# KiCad board emon36.kicad_pcb (continued)
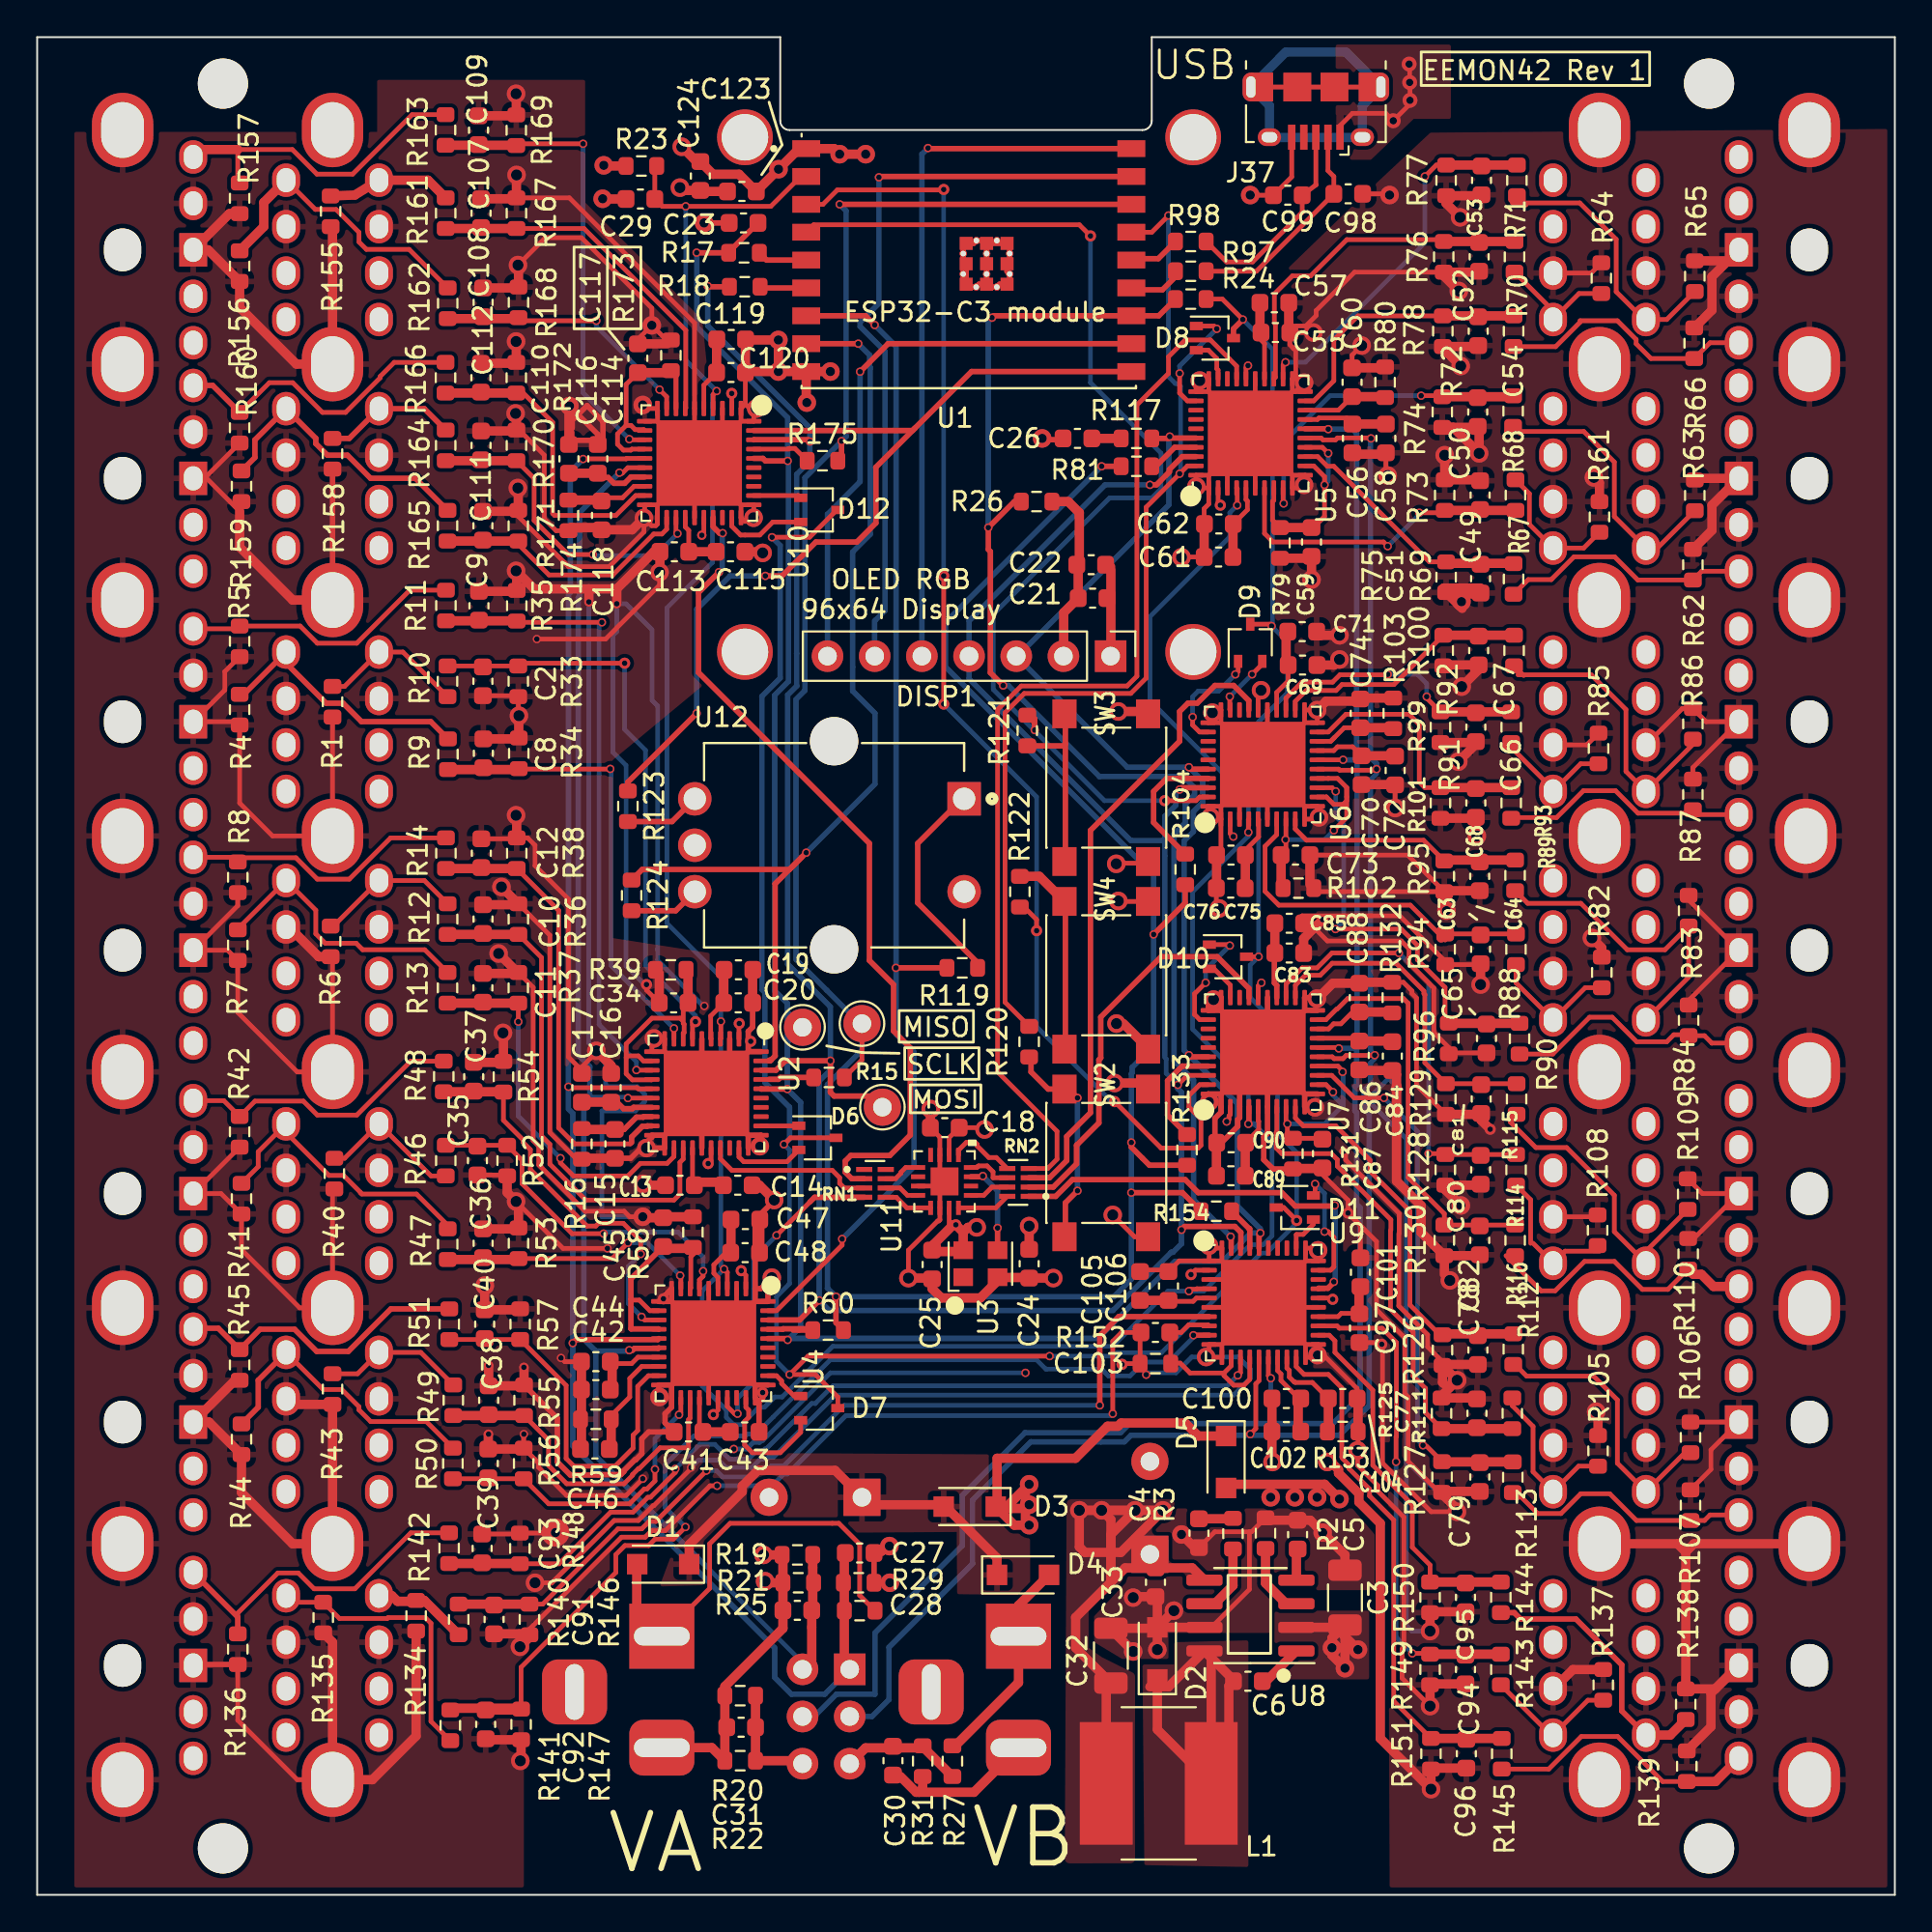
[diagram p0: board, top side]
## Placement (name value [footprint] x y rotation side) (continued)
J2  6_port_3.5mm_audio_jack_array_module_left_column  [6_ports_3.5mm_audio_jack_array_module_left_column]  8.4 57 270 bottom
J3  6_port_3.5mm_audio_jack_array_module_right_column  [6_ports_3.5mm_audio_jack_array_module_right_column]  8.4 57 270 bottom
J4  Barrel_Jack  [PJ-002A]  52.83 13.92 90 bottom
J5  6_port_3.5mm_audio_jack_array_module_left_column  [6_ports_3.5mm_audio_jack_array_module_left_column]  8.4 31.6 270 bottom
J6  6_port_3.5mm_audio_jack_array_module_right_column  [6_ports_3.5mm_audio_jack_array_module_right_column]  8.4 31.6 270 bottom
J7  6_port_3.5mm_audio_jack_array_module_left_column  [6_ports_3.5mm_audio_jack_array_module_left_column]  91.6 82.4 90 bottom
J8  6_port_3.5mm_audio_jack_array_module_right_column  [6_ports_3.5mm_audio_jack_array_module_right_column]  91.6 82.4 90 bottom
J9  6_port_3.5mm_audio_jack_array_module_left_column  [6_ports_3.5mm_audio_jack_array_module_left_column]  91.6 57 90 bottom
J10  6_port_3.5mm_audio_jack_array_module_right_column  [6_ports_3.5mm_audio_jack_array_module_right_column]  91.6 57 90 bottom
J11  6_port_3.5mm_audio_jack_array_module_left_column  [6_ports_3.5mm_audio_jack_array_module_left_column]  91.6 31.6 90 bottom
J12  6_port_3.5mm_audio_jack_array_module_right_column  [6_ports_3.5mm_audio_jack_array_module_right_column]  91.6 31.6 90 bottom
J13  6_port_3.5mm_audio_jack_array_module_left_column  [6_ports_3.5mm_audio_jack_array_module_left_column]  91.6 6.2 90 bottom
J14  6_port_3.5mm_audio_jack_array_module_right_column  [6_ports_3.5mm_audio_jack_array_module_right_column]  8.4 6.2 270 bottom
J15  6_port_3.5mm_audio_jack_array_module_left_column  [6_ports_3.5mm_audio_jack_array_module_left_column]  8.4 82.4 270 bottom
J16  6_port_3.5mm_audio_jack_array_module_right_column  [6_ports_3.5mm_audio_jack_array_module_right_column]  8.4 82.4 270 bottom
J17  Conn_02x03_Odd_Even  [PinHeader_2x03_P2.54mm_Vertical]  43.74 12.14 180 bottom
J37  USB_B_Micro  [USB_Micro-B_Amphenol_10118194_Horizontal]  68.83 96.02 180 top
L1  82uH  [L_Bourns_SRN8040TA]  60.38 6 180 top
LOGO1  Logo_Open_Hardware_Small  [OSHW_logo_10mm]  43.3 56.5 270 bottom
MH1  MountingHole  [MountingHole_2.7mm_M2.5]  90 97.5 0 top
MH2  MountingHole  [MountingHole_2.7mm_M2.5]  10 97.5 0 top
MH3  MountingHole  [MountingHole_2.7mm_M2.5]  10 2.5 0 top
MH4  MountingHole  [MountingHole_2.7mm_M2.5]  90 2.5 0 top
R1  RB  [R_0603_1608Metric]  15.9 64.23 270 top
R2  DNL  [R_0603_1608Metric]  66.12 19.47 90 top
R3  47k  [R_0603_1608Metric]  64.37 19.44 90 top
R4  RB  [R_0603_1608Metric]  10.9 63.8 270 top
R5  RB  [R_0603_1608Metric]  10.9 67.48 270 top
R6  RB  [R_0603_1608Metric]  15.8 51.33 270 top
R7  RB  [R_0603_1608Metric]  10.8 51.13 270 top
R8  RB  [R_0603_1608Metric]  10.8 54.78 270 top
R9  1k  [R_0603_1608Metric]  22.11 61.4 270 top
R10  1k  [R_0603_1608Metric]  22.09 65.33 90 top
R11  1k  [R_0603_1608Metric]  22 69.41 270 top
R12  1k  [R_0603_1608Metric]  22.1 52.53 270 top
R13  1k  [R_0603_1608Metric]  22.09 48.83 270 top
R14  1k  [R_0603_1608Metric]  22 56.07 270 top
R15  22  [R_0603_1608Metric]  42.62 44 0 top
R16  1k  [R_0603_1608Metric]  29.32 40.43 90 top
R17  22  [R_0603_1608Metric]  38.05 88.39 180 top
R18  22  [R_0603_1608Metric]  38.09 86.56 180 top
R19  21.5K  [R_0603_1608Metric]  40.92 18.3 0 top
R20  21.5K  [R_0603_1608Metric]  37.84 10.72 0 top
R21  499  [R_0603_1608Metric]  40.97 16.8 180 top
R22  499  [R_0603_1608Metric]  37.84 7.22 180 top
R23  2.2K  [R_0603_1608Metric]  32.52 93.07 0 top
R24  2.2k  [R_0603_1608Metric]  62.1 85.9 0 top
R25  21.5K  [R_0603_1608Metric]  44.28 15.3 180 top
R26  DNP  [R_0603_1608Metric]  53.8 75 0 top
R27  21.5K  [R_0603_1608Metric]  49.27 7.2 270 top
R29  499  [R_0603_1608Metric]  44.23 16.8 0 top
R31  499  [R_0603_1608Metric]  47.67 7.2 270 top
R33  499  [R_0603_1608Metric]  25.9 65.33 270 top
R34  499  [R_0603_1608Metric]  25.93 61.45 90 top
R35  499  [R_0603_1608Metric]  25.81 69.39 90 top
R36  499  [R_0603_1608Metric]  25.9 52.53 90 top
R37  499  [R_0603_1608Metric]  25.9 48.83 90 top
R38  499  [R_0603_1608Metric]  25.81 56.07 90 top
R39  1k  [R_0603_1608Metric]  34.11 49.79 0 top
R40  RB  [R_0603_1608Metric]  16 38.83 270 top
R41  RB  [R_0603_1608Metric]  11 37.48 270 top
R42  RB  [R_0603_1608Metric]  10.9 41.08 270 top
R43  RB  [R_0603_1608Metric]  15.9 27.23 270 top
R44  RB  [R_0603_1608Metric]  11 24.53 270 top
R45  RB  [R_0603_1608Metric]  10.9 28.53 270 top
R46  1k  [R_0603_1608Metric]  22 39.53 90 top
R47  1k  [R_0603_1608Metric]  22.1 35.03 270 top
R48  1k  [R_0603_1608Metric]  21.89 44.05 270 top
R49  1k  [R_0603_1608Metric]  22.4 26.63 270 top
R50  1k  [R_0603_1608Metric]  22.38 23.22 270 top
R51  1k  [R_0603_1608Metric]  22.19 30.72 270 top
R52  499  [R_0603_1608Metric]  25.3 39.53 270 top
R53  499  [R_0603_1608Metric]  25.91 35.08 90 top
R54  499  [R_0603_1608Metric]  25.1 44.04 90 top
R55  499  [R_0603_1608Metric]  26.21 26.63 90 top
R56  499  [R_0603_1608Metric]  26.19 23.22 90 top
R57  499  [R_0603_1608Metric]  26 30.72 90 top
R58  1k  [R_0603_1608Metric]  35.3 35.68 270 top
R59  1k  [R_0603_1608Metric]  30.07 25.6 0 top
R60  22  [R_0603_1608Metric]  42.58 30.4 0 top
R61  RB  [R_0603_1608Metric]  84.1 74.18 90 top
R62  RB  [R_0603_1608Metric]  89.23 75.34 90 top
R63  RB  [R_0603_1608Metric]  89.13 71.6 90 top
R64  RB  [R_0603_1608Metric]  84.2 87.03 90 top
R65  RB  [R_0603_1608Metric]  89.23 87.13 90 top
R66  RB  [R_0603_1608Metric]  89.2 83.53 90 top
R67  1k  [R_0603_1608Metric]  79.58 75.35 270 top
R68  1k  [R_0603_1608Metric]  79.45 79.87 90 top
R69  1k  [R_0603_1608Metric]  79.48 70.84 90 top
R70  1k  [R_0603_1608Metric]  79.53 88.18 90 top
R71  1k  [R_0603_1608Metric]  79.65 92.29 90 top
R72  1k  [R_0603_1608Metric]  79.48 84.17 90 top
R73  499  [R_0603_1608Metric]  75.77 75.35 90 top
R74  499  [R_0603_1608Metric]  75.64 79.82 270 top
R75  499  [R_0603_1608Metric]  75.84 70.93 270 top
R76  499  [R_0603_1608Metric]  75.72 88.18 270 top
R77  499  [R_0603_1608Metric]  75.84 92.29 270 top
R78  499  [R_0603_1608Metric]  75.67 84.17 270 top
R79  1k  [R_0603_1608Metric]  66.9 72.78 90 top
R80  1k  [R_0603_1608Metric]  72.56 81.43 270 top
R81  22  [R_0603_1608Metric]  59.17 76.9 180 top
R82  RB  [R_0603_1608Metric]  84.23 49.66 90 top
R83  RB  [R_0603_1608Metric]  88.9 52.98 90 top
R84  RB  [R_0603_1608Metric]  88.9 47.08 90 top
R85  RB  [R_0603_1608Metric]  84.05 61.71 90 top
R86  RB  [R_0603_1608Metric]  89.13 63.03 90 top
R87  RB  [R_0603_1608Metric]  89.13 59.23 90 top
R88  1k  [R_0603_1608Metric]  79.61 50.9 90 top
R89  1k  [R_0603_1608Metric]  79.56 54.88 90 top
R90  1k  [R_0603_1608Metric]  79.8 46.09 90 top
R91  1k  [R_0603_1608Metric]  79.35 62.85 90 top
R92  1k  [R_0603_1608Metric]  79.5 66.98 90 top
R93  1k  [R_0603_1608Metric]  79.35 58.78 90 top
R94  499  [R_0603_1608Metric]  75.8 50.9 270 top
R95  499  [R_0603_1608Metric]  75.75 54.83 270 top
R96  499  [R_0603_1608Metric]  75.99 46.1 270 top
R97  0  [R_0603_1608Metric]  62.1 87.4 180 top
R98  0  [R_0603_1608Metric]  62.1 89 180 top
R99  499  [R_0603_1608Metric]  75.54 62.85 270 top
R100  499  [R_0603_1608Metric]  75.69 66.98 270 top
R101  499  [R_0603_1608Metric]  75.54 58.78 270 top
R102  1k  [R_0603_1608Metric]  67.89 54.19 180 top
R103  1k  [R_0603_1608Metric]  73 63.6 270 top
R104  22  [R_0603_1608Metric]  61.8 55.2 270 top
R105  RB  [R_0603_1608Metric]  84.02 23.9 90 top
R106  RB  [R_0603_1608Metric]  89 24.63 90 top
R107  RB  [R_0603_1608Metric]  89 20.98 90 top
R108  RB  [R_0603_1608Metric]  84 35.78 90 top
R109  RB  [R_0603_1608Metric]  88.85 37.72 90 top
R110  RB  [R_0603_1608Metric]  88.87 34.51 90 top
R111  1k  [R_0603_1608Metric]  79.41 25.92 270 top
R112  1k  [R_0603_1608Metric]  79.46 29.38 90 top
R113  1k  [R_0603_1608Metric]  79.43 22.48 90 top
R114  1k  [R_0603_1608Metric]  79.61 39.03 90 top
R115  1k  [R_0603_1608Metric]  79.64 42.84 90 top
R116  1k  [R_0603_1608Metric]  79.56 35.23 90 top
R117  50  [R_0603_1608Metric]  59.17 78.4 180 top
R119  2.2k  [R_0603_1608Metric]  49.8 49.9 0 top
R120  2.2k  [R_0603_1608Metric]  53.4 45.93 270 top
R121  2.2k  [R_0603_1608Metric]  53.3 62.68 270 top
R122  2.2k  [R_0603_1608Metric]  52.9 54 90 top
R123  2.2k  [R_0603_1608Metric]  31.8 58.6 270 top
R124  2.2k  [R_0603_1608Metric]  32 53.8 270 top
R125  499  [R_0603_1608Metric]  75.6 25.92 90 top
R126  499  [R_0603_1608Metric]  75.65 29.33 270 top
R127  499  [R_0603_1608Metric]  75.62 22.49 270 top
R128  499  [R_0603_1608Metric]  75.8 39.03 270 top
R129  499  [R_0603_1608Metric]  75.83 42.84 270 top
R130  499  [R_0603_1608Metric]  75.75 35.23 270 top
R131  1k  [R_0603_1608Metric]  67.6 39.9 90 top
R132  1k  [R_0603_1608Metric]  72.95 48.3 270 top
R133  22  [R_0603_1608Metric]  61.9 40.1 270 top
R134  RB  [R_0603_1608Metric]  20.4 15.03 270 top
R135  RB  [R_0603_1608Metric]  15.4 14.93 270 top
R136  RB  [R_0603_1608Metric]  10.8 13.23 270 top
R137  RB  [R_0603_1608Metric]  84.3 11.3 90 top
R138  RB  [R_0603_1608Metric]  88.74 10.26 90 top
R139  RB  [R_0603_1608Metric]  88.8 6.93 90 top
R140  1k  [R_0603_1608Metric]  22.69 14.83 90 top
R141  1k  [R_0603_1608Metric]  22.24 9.12 90 top
R142  1k  [R_0603_1608Metric]  22.17 18.66 270 top
R143  1k  [R_0603_1608Metric]  78.79 12.13 90 top
R144  1k  [R_0603_1608Metric]  78.79 16.01 90 top
R145  1k  [R_0603_1608Metric]  78.84 7.6 90 top
R146  499  [R_0603_1608Metric]  26.5 14.83 270 top
R147  499  [R_0603_1608Metric]  26.05 9.18 270 top
R148  499  [R_0603_1608Metric]  25.98 18.65 90 top
R149  499  [R_0603_1608Metric]  74.98 12.13 270 top
R150  499  [R_0603_1608Metric]  74.98 16.01 270 top
R151  499  [R_0603_1608Metric]  75.03 7.6 270 top
R152  1k  [R_0603_1608Metric]  60.2 28.6 0 top
R153  1k  [R_0603_1608Metric]  70.28 24.94 180 top
R154  22  [R_0603_1608Metric]  63.48 36.8 180 top
R155  RB  [R_0603_1608Metric]  15.8 90.62 270 top
R156  RB  [R_0603_1608Metric]  10.9 87.68 270 top
R157  RB  [R_0603_1608Metric]  10.9 91.33 270 top
R158  RB  [R_0603_1608Metric]  15.9 77.58 270 top
R159  RB  [R_0603_1608Metric]  11 75.83 270 top
R160  RB  [R_0603_1608Metric]  10.9 78.98 270 top
R161  1k  [R_0603_1608Metric]  21.99 90.53 270 top
R162  1k  [R_0603_1608Metric]  22.1 85.68 270 top
R163  1k  [R_0603_1608Metric]  21.98 95 270 top
R164  1k  [R_0603_1608Metric]  21.99 78.03 270 top
R165  1k  [R_0603_1608Metric]  22.09 73.7 270 top
R166  1k  [R_0603_1608Metric]  21.98 81.67 270 top
R167  499  [R_0603_1608Metric]  25.8 90.53 90 top
R168  499  [R_0603_1608Metric]  25.91 85.73 90 top
R169  499  [R_0603_1608Metric]  25.79 94.99 90 top
R170  499  [R_0603_1608Metric]  25.8 78.03 90 top
R171  499  [R_0603_1608Metric]  25.9 73.7 90 top
R172  499  [R_0603_1608Metric]  25.79 81.67 90 top
R173  1k  [R_0603_1608Metric]  34.11 82.87 270 top
R174  1k  [R_0603_1608Metric]  28.6 74.26 90 top
R175  22  [R_0603_1608Metric]  42.28 77.2 0 top
RN1  33  [RESCAV50P200X100X55-8N]  45.1 38.3 0 top
RN2  33  [RESCAV50P200X100X55-8N]  52.8 38.35 180 top
SW2  SW_MEC_5E  [SW_Push_1P1T_NO_6x6mm_H13mm]  57.55 39.4 90 top
SW3  SW_MEC_5E  [SW_Push_1P1T_NO_6x6mm_H13mm]  57.55 59.6 90 top
SW4  SW_MEC_5E  [SW_Push_1P1T_NO_6x6mm_H13mm]  57.55 49.5 90 top
TP1  SCLK  [TestPoint_THTPad_D2.0mm_Drill1.0mm]  41.2 46.7 0 top
TP2  MOSI  [TestPoint_THTPad_D2.0mm_Drill1.0mm]  45.5 42.4 0 top
TP3  MISO  [TestPoint_THTPad_D2.0mm_Drill1.0mm]  44.4 46.9 0 top
U1  ESP32-C3-WROOM-02-N4  [MODULE_ESP32-C3-WROOM-02-H4]  50.15 91.1 0 top
U2  ADE7816  [QFN-40-1EP_6x6mm_P0.5mm_EP4.6x4.6mm]  36.03 43.14 270 top
U3  16.384MHz  [Oscillator_SMD_Kyocera_KC2520Z-4Pin_2.5x2.0mm]  50.78 33.98 90 top
U4  ADE7816  [QFN-40-1EP_6x6mm_P0.5mm_EP4.6x4.6mm]  36.4 29.69 270 top
U5  ADE7816  [QFN-40-1EP_6x6mm_P0.5mm_EP4.6x4.6mm]  65.32 78.67 90 top
U6  ADE7816  [QFN-40-1EP_6x6mm_P0.5mm_EP4.6x4.6mm]  65.97 60.85 90 top
U7  ADE7816  [QFN-40-1EP_6x6mm_P0.5mm_EP4.6x4.6mm]  65.98 45.36 90 top
U8  TPS5403  [SOIC-8_3.9x4.9mm_P1.27mm]  65.31 15.04 180 top
U9  ADE7816  [QFN-40-1EP_6x6mm_P0.5mm_EP4.6x4.6mm]  66.03 31.88 0 top
U10  ADE7816  [QFN-40-1EP_6x6mm_P0.5mm_EP4.6x4.6mm]  35.64 77.07 270 top
U11  -  [PL133-97QC]  48.84 38.4 270 top
U12  PEC12R-4117F-S0012  [ENC_PEC12R-4025F-S0024]  42.9 56.5 0 top

## Library data of the parts
C1 = -: MFR: Panasonic; MPN: EEU-FR1V681LB
C3 C32 = -: Desc: CAP CER 10UF 50V X7R 1206; MFR: Samsung; MPN: CL31B106KBHNNNE
C7 = -: MFR: Rubycon; MPN: 35YXF220MEFC10X12.5
C13 C16 C19 C22 C24 C41 C42 C47 C55 C56 C61 C69 C70 C75 C83 C84 C89 C97 C100 C105 C113 C114 C119 C123 = -: Desc: CAP CER 4.7UF 16V X5R 0603; MFR: Samsung; MPN: CL10A475KO8NNNC
D1-D5 = -: MFR: Diodes Inc
D6-D12 = -: MFR: Nexperia; MPN: BAT54AW,115
J1 J4 = -: Distributor: Digikey; MFR: CUI; MPN: PJ-002
J2 J3 J5-J16 = -: MFR: Kortak; MPN: 6_port_audio_module
J37 = -: MFR: Amphenol; MPN: 10118194-0001LF
L1 = -: MFR: Bourns; MPN: SRN8040TA-820M
LOGO1 MH1-MH4 = -: MFR: N/A; MPN: N/A
R10 R33-R38 R46 R52-R57 R67 R73-R78 R88 R94-R96 R99-R101 R111 R125-R130 R140 R146-R151 R161 R167-R172 = -: Tol: 1%
RN1 RN2 = -: Desc: RES ARRAY 4 RES 33 OHM 0804; MFR: Bourns; MPN: AT10-330J4LF
SW2-SW4 = -: Desc: SWITCH TACTILE SPST-NO 0.05A 12V; MFR: C&K; MPN: PTS645SK13SMTR92LFS
TP1-TP3 = -: Desc: TestPoint; MFR: N/A; MPN: N/A
U1 = -: AVAILABILITY: In Stock; DESCRIPTION: WiFi Modules (802.11) (Engineering Samples) SMD module, ESP32-C3, 4MB SPI flash, PCB antenna, -40 C +105 C; Desc: ESP32-C3 MODULE; MF: Espressif Systems; MFR: Espressif Systems; MP: ESP32-C3-WROOM-02-H4; MPN: ESP32-C3-WROOM-02-H4; PACKAGE: Package; PRICE: None; PURCHASE-URL: https://pricing.snapeda.com/search/part/ESP32-C3-WROOM-02-H4/?ref=eda
U2 U4-U7 U9 U10 = -: ALTIUM_VALUE: *; AVAILABILITY: Unavailable; Desc: ENERGY MON IC 6CH QFN40; MF: Analog Devices; MFR: Analog Devices; MP: ADE7816ACPZ; MPN: ADE7816ACPZ; PACKAGE: LFCSP -40 Analog Devices; PRICE: None; SNAPEDA_LINK: https://www.snapeda.com/parts/ADE7816ACPZ/Analog%20Devices%20Inc./view-part/431922/?ref=snap
U3 = -: Desc: XTAL OSC XO 16.3840MHZ CMOS SMD; MFR: Kyocera AVX; MPN: KC2520Z16.3840C1KX00
U8 = -: Desc: IC REG BUCK 3.3V 1.7A 8SOIC; MFR: Texas Instruments; MPN: TPS5403DR
U11 = -: Desc: IC CLK BUFFER 16QFN; MFR: Microchip Technology
U12 = -: Desc: ROTARY ENCODER MECHANICAL 12PPR; MANUFACTURER: BOURNS; MFR: Bourns

## Footprints (pads in the part's own frame, mm; a bottom-side part is the same pattern mirrored in y, then rotated)
6_ports_3.5mm_audio_jack_array_module_left_column
  oval 2.3x2 hole 2.3x2 unplated: (6.15,3.8)
  rect 1.8x1.499 hole 1.3x1: 1A(6.15,0)
  oval 1.8x1.5 hole 1.3x1: 2A(11.15,0) 3A(8.65,0) 4A(3.65,0) 5A(1.15,0) 22A(9.9,-5) 23A(7.4,-5) 24A(4.9,-5) 25A(2.4,-5) 32A(9.9,-10) 33A(7.4,-10) 34A(4.9,-10) 35A(2.4,-10)
6_ports_3.5mm_audio_jack_array_module_right_column
  oval 2.3x2 hole 2.3x2 unplated: (-6.15,3.8)
  rect 1.8x1.499 hole 1.3x1: 1B(-6.15,0)
  oval 1.8x1.5 hole 1.3x1: 2B(-1.15,0) 3B(-3.65,0) 4B(-8.65,0) 5B(-11.15,0) 22B(-2.4,-5) 23B(-4.9,-5) 24B(-7.4,-5) 25B(-9.9,-5) 32B(-2.4,-10) 33B(-4.9,-10) 34B(-7.4,-10) 35B(-9.9,-10)
C_0603_1608Metric
  rrect 0.9x0.95 smd: 1(-0.775,0) 2(0.775,0)
C_1206_3216Metric
  rrect 1.15x1.8 smd: 1(-1.475,0) 2(1.475,0)
CP_Radial_D10.0mm_P5.00mm
  rect 2x2 hole 1: 1(0,0)
  round 2 hole 1: 2(5,0)
D_SOD-123F
  rect 1.1x1.1 smd: 1(-1.4,0) 2(1.4,0)
ENC_PEC12R-4025F-S0024
  round 2.6 hole 2.6 unplated: (0,5.6) (0,-5.6)
  rect 1.8x1.8 hole 1.2: 1(7,2.5)
  round 1.8 hole 1.2: 2(7,-2.5) A(-7.5,2.5) B(-7.5,-2.5) C(-7.5,0)
L_Bourns_SRN8040TA
  rect 2.85x6.6 smd: 1(-2.825,0) 2(2.825,0)
MODULE_ESP32-C3-WROOM-02-H4
  rect 1.5x0.9 smd: 1(-8.75,2.9) 2(-8.75,1.4) 3(-8.75,-0.1) 4(-8.75,-1.6) 5(-8.75,-3.1) 6(-8.75,-4.6) 7(-8.75,-6.1) 8(-8.75,-7.6) 9(-8.75,-9.1) 10(8.75,-9.1) 11(8.75,-7.6) 12(8.75,-6.1) 13(8.75,-4.6) 14(8.75,-3.1) 15(8.75,-1.6) 16(8.75,-0.1) 17(8.75,1.4) 18(8.75,2.9)
  rect 0.7x0.7 smd: 19(-0.14,-2.2) 20(0.96,-2.2) 21(2.06,-2.2) 22(-0.14,-3.3) 23(0.96,-3.3) 24(2.06,-3.3) 25(-0.14,-4.4) 26(0.96,-4.4) 27(2.06,-4.4)
  round 0.4 hole 0.3: 28(0.41,-2.05) 29(1.51,-2.05) 30(-0.3,-2.75) 31(0.96,-2.75) 32(2.2,-2.75) 33(-0.3,-3.85) 34(0.96,-3.85) 35(2.2,-3.85) 36(0.4,-4.55) 37(1.51,-4.55)
MountingHole_2.7mm_M2.5
  round 2.7 hole 2.7 unplated: (0,0)
Oscillator_SMD_Kyocera_KC2520Z-4Pin_2.5x2.0mm
  rect 0.95x1.05 smd: 1(-0.725,0.925) 2(-0.725,-0.925) 3(0.725,-0.925) 4(0.725,0.925)
PinHeader_2x03_P2.54mm_Vertical
  rect 1.7x1.7 hole 1: 1(0,0)
  oval 1.7x1.7 hole 1: 2(2.54,0) 3(0,-2.54) 4(2.54,-2.54) 5(0,-5.08) 6(2.54,-5.08)
PJ-002A
  rect 3.5x3.5 hole 1x3: 1(0,0)
  rrect 3x3.5 hole 1x3: 2(-6,0)
  rrect 3.5x3.5 hole 3x1: 3(-3,-4.7)
PL133-97QC
  rect 0.762x0.254 smd: 1(-1.422,0.75) 2(-1.422,0.25) 3(-1.422,-0.25) 4(-1.422,-0.75) 9(1.422,-0.75) 10(1.422,-0.25) 11(1.422,0.25) 12(1.422,0.75)
  rect 0.254x0.762 smd: 5(-0.75,-1.422) 6(-0.25,-1.422) 7(0.25,-1.422) 8(0.75,-1.422) 13(0.75,1.422) 14(0.25,1.422) 15(-0.25,1.422) 16(-0.75,1.422)
  rect 1.499x1.499 smd: 17(0,0)
QFN-40-1EP_6x6mm_P0.5mm_EP4.6x4.6mm
  rrect 0.93x0.93 smd: (-1.725,1.725) (-1.725,0.575) (-1.725,-0.575) (-1.725,-1.725) (-0.575,1.725) (-0.575,0.575) (-0.575,-0.575) (-0.575,-1.725) (0.575,1.725) (0.575,0.575) (0.575,-0.575) (0.575,-1.725) (1.725,1.725) (1.725,0.575) (1.725,-0.575) (1.725,-1.725)
  rrect 0.825x0.25 smd: 1(-2.938,2.25) 2(-2.938,1.75) 3(-2.938,1.25) 4(-2.938,0.75) 5(-2.938,0.25) 6(-2.938,-0.25) 7(-2.938,-0.75) 8(-2.938,-1.25) 9(-2.938,-1.75) 10(-2.938,-2.25) 21(2.938,-2.25) 22(2.938,-1.75) 23(2.938,-1.25) 24(2.938,-0.75) 25(2.938,-0.25) 26(2.938,0.25) 27(2.938,0.75) 28(2.938,1.25) 29(2.938,1.75) 30(2.938,2.25)
  rrect 0.25x0.825 smd: 11(-2.25,-2.938) 12(-1.75,-2.938) 13(-1.25,-2.938) 14(-0.75,-2.938) 15(-0.25,-2.938) 16(0.25,-2.938) 17(0.75,-2.938) 18(1.25,-2.938) 19(1.75,-2.938) 20(2.25,-2.938) 31(2.25,2.938) 32(1.75,2.938) 33(1.25,2.938) 34(0.75,2.938) 35(0.25,2.938) 36(-0.25,2.938) 37(-0.75,2.938) 38(-1.25,2.938) 39(-1.75,2.938) 40(-2.25,2.938)
  rect 4.6x4.6 smd: 41(0,0)
R_0603_1608Metric
  rrect 0.8x0.95 smd: 1(-0.825,0) 2(0.825,0)
RESCAV50P200X100X55-8N
  rrect 0.87x0.27 smd: 1(-0.58,0.75) 2(-0.58,0.25) 3(-0.58,-0.25) 4(-0.58,-0.75) 5(0.58,-0.75) 6(0.58,-0.25) 7(0.58,0.25) 8(0.58,0.75)
SOIC-8_3.9x4.9mm_P1.27mm
  rrect 1.95x0.6 smd: 1(-2.475,1.905) 2(-2.475,0.635) 3(-2.475,-0.635) 4(-2.475,-1.905) 5(2.475,-1.905) 6(2.475,-0.635) 7(2.475,0.635) 8(2.475,1.905)
SOT-323_SC-70
  rect 0.7x0.45 smd: 1(-1,0.65) 2(-1,-0.65) 3(1,0)
SSD1331_RGB_OLED_96x64
  round 3 hole 2.5 unplated: (-12.065,-0.23) (-12.065,-27.93) (12.065,-0.23) (12.065,-27.93)
  rect 1.7x1.7 hole 1: 1(-7.62,0)
  oval 1.7x1.7 hole 1: 2(-5.08,0) 3(-2.54,0) 4(0,0) 5(2.54,0) 6(5.08,0) 7(7.62,0)
STX-4335_Combined_Mounting_Hole
  oval 4x3.3 hole 3x2.3: 1(0,0)
SW_Push_1P1T_NO_6x6mm_H13mm
  rect 1.55x1.3 smd: 1(-3.975,2.25) 2(3.975,2.25) 3(-3.975,-2.25) 4(3.975,-2.25)
TestPoint_THTPad_D2.0mm_Drill1.0mm
  round 2 hole 1: 1(0,0)
USB_Micro-B_Amphenol_10118194_Horizontal
  oval 0.89x1.55 smd: (-3.5,-1.3) (3.5,-1.3)
  oval 1.25x0.95 smd: (-2.5,1.4) (2.5,1.4)
  rect 0.4x1.35 smd: 1(-1.3,1.4) 2(-0.65,1.4) 3(0,1.4) 4(0.65,1.4) 5(1.3,1.4)
  oval 0.89x1.55 hole 0.5x1.15: 6(-3.5,-1.3) 6(3.5,-1.3)
  rect 1.2x1.55 smd: 6(-2.9,-1.3) 6(2.9,-1.3)
  oval 1.25x0.95 hole 0.85x0.55: 6(-2.5,1.4) 6(2.5,1.4)
  rect 1.5x1.55 smd: 6(-1,-1.3) 6(1,-1.3)

## Nets
3V3: C7.1 C18.1 C21.1 C22.1 C24.1 C25.1 C32.1 C33.2 C123.1 C124.1 DISP1.2 L1.2 R23.1 R26.2 U1.1 U2.2 U2.26 U3.4 U4.2 U4.26 U5.2 U5.26 U6.2 U6.26 U7.2 U7.26 U8.5 U9.2 U9.26 U10.2 U10.26 U11.2 U11.11
/CH0/AVDD: C113.1 C115.1 U10.24
/CH0/DVDD: C119.1 C120.1 U10.5
/CH1/AVDD: C13.1 C14.1 U2.24
/CH1/DVDD: C19.1 C20.1 U2.5
/CH2/AVDD: C41.1 C43.1 U4.24
/CH2/DVDD: C47.1 C48.1 U4.5
/CH3/AVDD: C55.1 C57.1 U5.24
/CH3/DVDD: C61.1 C62.1 U5.5
/CH4/AVDD: C69.1 C71.1 U6.24
/CH4/DVDD: C75.1 C76.1 U6.5
/CH5/AVDD: C83.1 C85.1 U7.24
/CH5/DVDD: C89.1 C90.1 U7.5
/CH6/AVDD: C97.1 C101.1 U9.24
/CH6/DVDD: C105.1 C106.1 U9.5
/Vin: C3.1 D3.1 D5.1 U8.2
GND: C1.2 C2.2 C3.2 C4.2 C5.2 C7.2 C8.2 C9.2 C10.2 C11.2 C12.2 C13.2 C14.2 C15.2 C16.2 C17.2 C18.2 C19.2 C20.2 C21.2 C22.2 C23.2 C24.2 C25.2 C26.2 C27.2 C28.2 C29.2 C30.2 C31.2 C32.2 C33.1 C34.2 C35.2 C36.2 C37.2 C38.2 C39.2 C40.2 C41.2 C42.2 C43.2 C44.2 C45.2 C46.2 C47.2 C48.2 C49.2 C50.2 C51.2 C52.2 C53.2 C54.2 C55.2 C56.2 C57.2 C58.2 C59.2 C60.2 C61.2 C62.2 C63.2 C64.2 C65.2 C66.2 C67.2 C68.2 C69.2 C70.2 C71.2 C72.2 C73.2 C74.2 C75.2 C76.2 C77.2 C78.2 C79.2 C80.2 C81.2 C82.2 C83.2 C84.2 C85.2 C86.2 C87.2 C88.2 C89.2 C90.2 C91.2 C92.2 C93.2 C94.2 C95.2 C96.2 C97.2 C98.2 C99.2 C100.2 C101.2 C102.2 C103.2 C104.2 C105.2 C106.2 C107.2 C108.2 C109.2 C110.2 C111.2 C112.2 C113.2 C114.2 C115.2 C116.2 C117.2 C118.2 C119.2 C120.2 C123.2 C124.2 D2.2 DISP1.1 H1.1 H2.1 H3.1 H4.1 H5.1 H6.1 H7.1 H8.1 H9.1 H10.1 H11.1 H12.1 H13.1 H14.1 H15.1 H16.1 H17.1 H18.1 H19.1 H20.1 H21.1 H22.1 H23.1 H24.1 H25.1 H26.1 H27.1 H28.1 H29.1 H30.1 H31.1 H32.1 J1.2 J2.1A J2.4A J2.24A J2.34A J3.1B J3.4B J3.24B J3.34B J4.2 J5.1A J5.4A J5.24A J5.34A J6.1B J6.4B J6.24B J6.34B J7.1A J7.4A J7.24A J7.34A J8.1B J8.4B J8.24B J8.34B J9.1A J9.4A J9.24A J9.34A J10.1B J10.4B J10.24B J10.34B J11.1A J11.4A J11.24A J11.34A J12.1B J12.4B J12.24B J12.34B J13.1A J13.4A J13.24A J13.34A J14.1B J14.4B J14.24B J14.34B J15.1A J15.4A J15.24A J15.34A J16.1B J16.4B J16.24B J16.34B J37.5 R1.2 R2.2 R4.2 R5.2 R6.2 R7.2 R8.2 R16.1 R19.1 R20.1 R21.2 R22.2 R29.2 R31.2 R33.2 R34.2 R35.2 R36.2 R37.2 R38.2 R39.1 R40.2 R41.2 R42.2 R43.2 R44.2 R45.2 R52.2 R53.2 R54.2 R55.2 R56.2 R57.2 R58.1 R59.1 R61.2 R62.2 R63.2 R64.2 R65.2 R66.2 R73.2 R74.2 R75.2 R76.2 R77.2 R78.2 R79.1 R80.1 R82.2 R83.2 R84.2 R85.2 R86.2 R87.2 R94.2 R95.2 R96.2 R99.2 R100.2 R101.2 R102.1 R103.1 R105.2 R106.2 R107.2 R108.2 R109.2 R110.2 R125.2 R126.2 R127.2 R128.2 R129.2 R130.2 R131.1 R132.1 R134.2 R135.2 R136.2 R137.2 R138.2 R139.2 R146.2 R147.2 R148.2 R149.2 R150.2 R151.2 R152.1 R153.1 R155.2 R156.2 R157.2 R158.2 R159.2 R160.2 R167.2 R168.2 R169.2 R170.2 R171.2 R172.2 R173.1 R174.1 SW2.3 SW2.4 SW3.3 SW3.4 SW4.3 SW4.4 U1.9 U1.19 U1.20 U1.21 U1.22 U1.23 U1.24 U1.25 U1.26 U1.27 U1.28 U1.29 U1.30 U1.31 U1.32 U1.33 U1.34 U1.35 U1.36 U1.37 U2.1 U2.3 U2.6 U2.10 U2.11 U2.20 U2.21 U2.25 U2.30 U2.31 U2.40 U2.41 U3.2 U4.1 U4.3 U4.6 U4.10 U4.11 U4.20 U4.21 U4.25 U4.30 U4.31 U4.40 U4.41 U5.1 U5.3 U5.6 U5.10 U5.11 U5.20 U5.21 U5.25 U5.30 U5.31 U5.40 U5.41 U6.1 U6.3 U6.6 U6.10 U6.11 U6.20 U6.21 U6.25 U6.30 U6.31 U6.40 U6.41 U7.1 U7.3 U7.6 U7.10 U7.11 U7.20 U7.21 U7.25 U7.30 U7.31 U7.40 U7.41 U8.7 U9.1 U9.3 U9.6 U9.10 U9.11 U9.20 U9.21 U9.25 U9.30 U9.31 U9.40 U9.41 U10.1 U10.3 U10.6 U10.10 U10.11 U10.20 U10.21 U10.25 U10.30 U10.31 U10.40 U10.41 U11.3 U11.7 U11.10 U11.17 U12.2 U12.C
VBUS: D5.2 J37.1
/CH0/IA_P: C107.1 R161.2 R167.1 U10.7
/CH0/IA_P_R: J16.35B R155.1 R161.1
/CH0/IABC_R: C117.1 R173.2 U10.8 U10.12 U10.14
/CH0/IB_P: C108.1 R162.2 R168.1 U10.9
/CH0/IB_P_R: J16.25B R156.1 R162.1
/CH0/IC_P: C109.1 R163.2 R169.1 U10.13
/CH0/IC_P_R: J16.5B R157.1 R163.1
/CH0/ID_P: C110.1 R164.2 R170.1 U10.23
/CH0/ID_P_R: J15.35A R158.1 R164.1
/CH0/IDEF_R: C118.1 R174.2 U10.18
/CH0/IE_P: C111.1 R165.2 R171.1 U10.22
/CH0/IE_P_R: J15.25A R159.1 R165.1
/CH0/IF_P: C112.1 R166.2 R172.1 U10.19
/CH0/IF_P_R: J15.5A R160.1 R166.1
/CH0/IRQ0: D12.2 U10.29
/CH0/IRQ1: D12.1 U10.32
/CH0/MISO_R: R175.1 U10.37
/CH0/REF: C114.1 C116.1 U10.17
/CH1/IA_P: C2.1 R10.2 R33.1 U2.7
/CH1/IA_P_R: J3.35B R1.1 R10.1
/CH1/IABC_R: C34.1 R39.2 U2.8 U2.12 U2.14
/CH1/IB_P: C8.1 R9.2 R34.1 U2.9
/CH1/IB_P_R: J3.25B R4.1 R9.1
/CH1/IC_P: C9.1 R11.2 R35.1 U2.13
/CH1/IC_P_R: J3.5B R5.1 R11.1
/CH1/ID_P: C10.1 R12.2 R36.1 U2.23
/CH1/ID_P_R: J2.35A R6.1 R12.1
/CH1/IDEF_R: C15.1 R16.2 U2.18
/CH1/IE_P: C11.1 R13.2 R37.1 U2.22
/CH1/IE_P_R: J2.25A R7.1 R13.1
/CH1/IF_P: C12.1 R14.2 R38.1 U2.19
/CH1/IF_P_R: J2.5A R8.1 R14.1